# Altium PCB EIT_第2版.PcbDoc
Units mil, origin at the board's own origin, x right, y up, seen from the top; angles counter-clockwise.
Board outline 5275.59 x 3641.73 mil, 2 copper layers (Top Layer, Bottom Layer), stack 12.8 mil thick; 74 components, 45 nets, 210 pads, 133 vias.
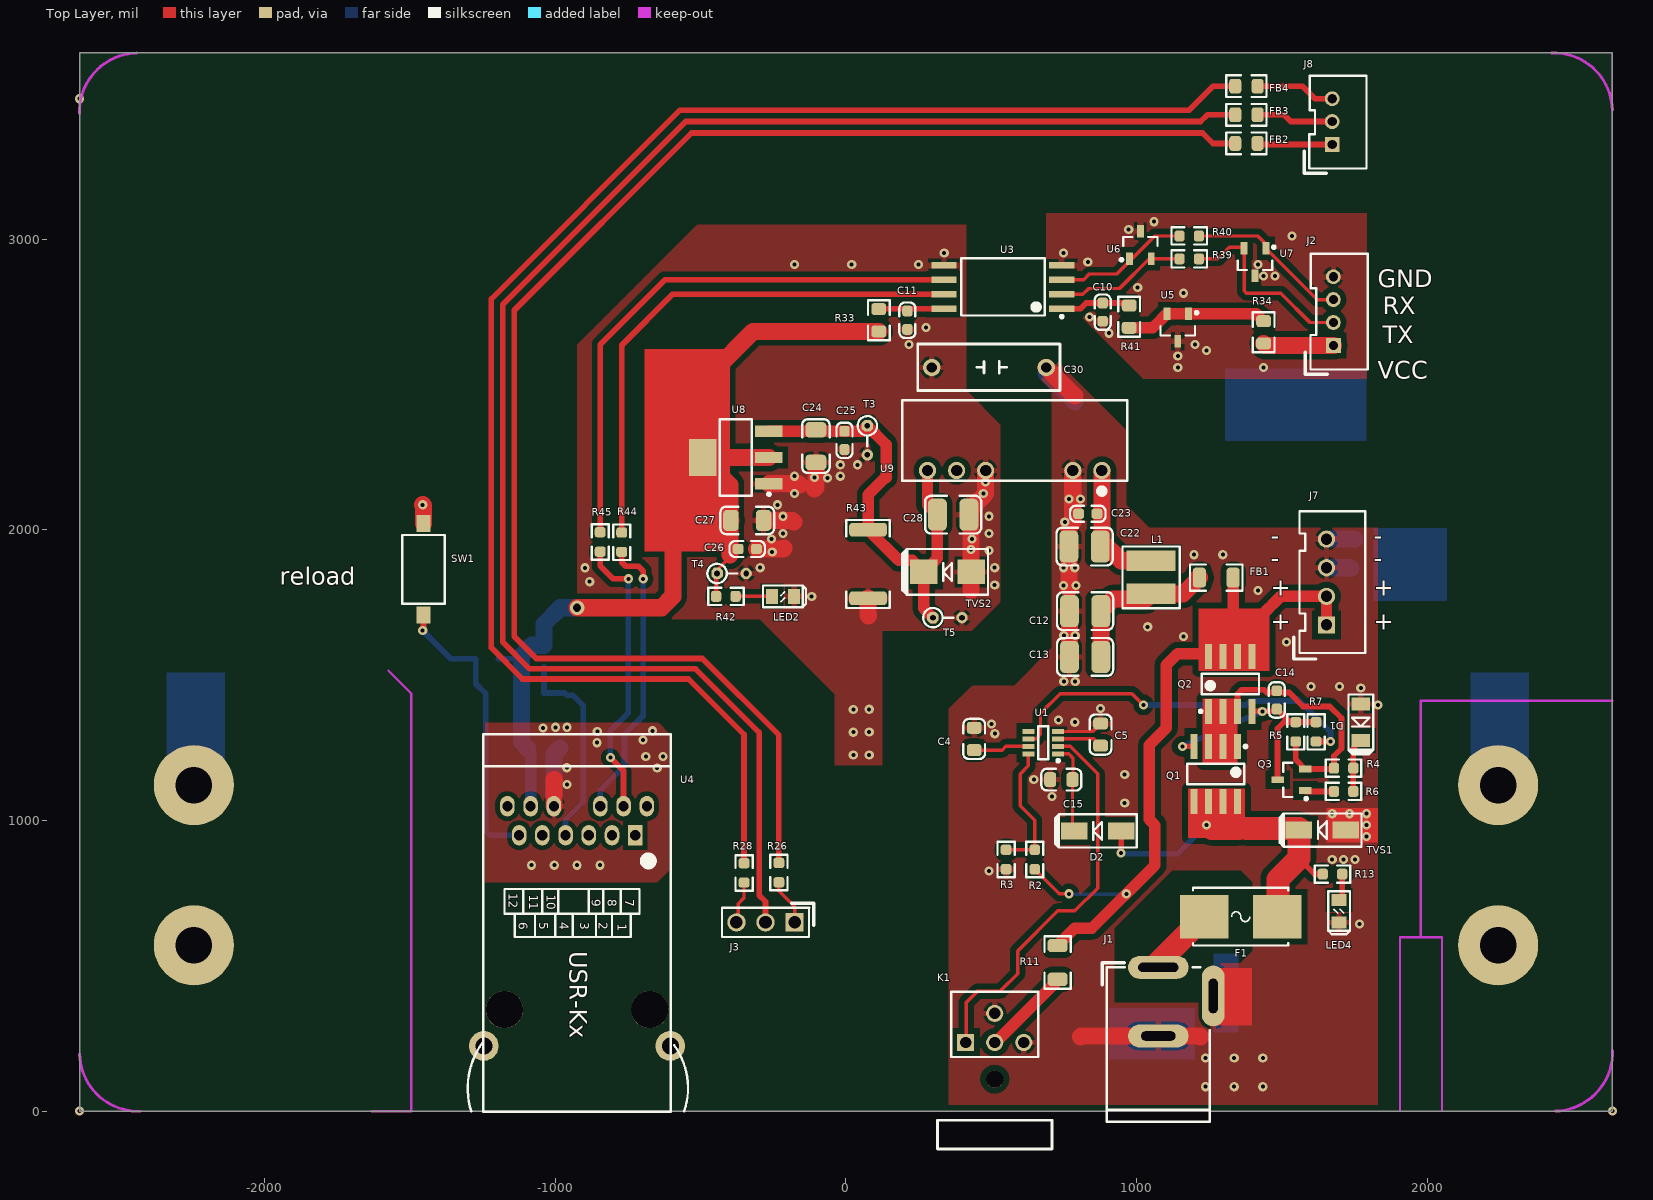
[diagram p0: Top Layer view]
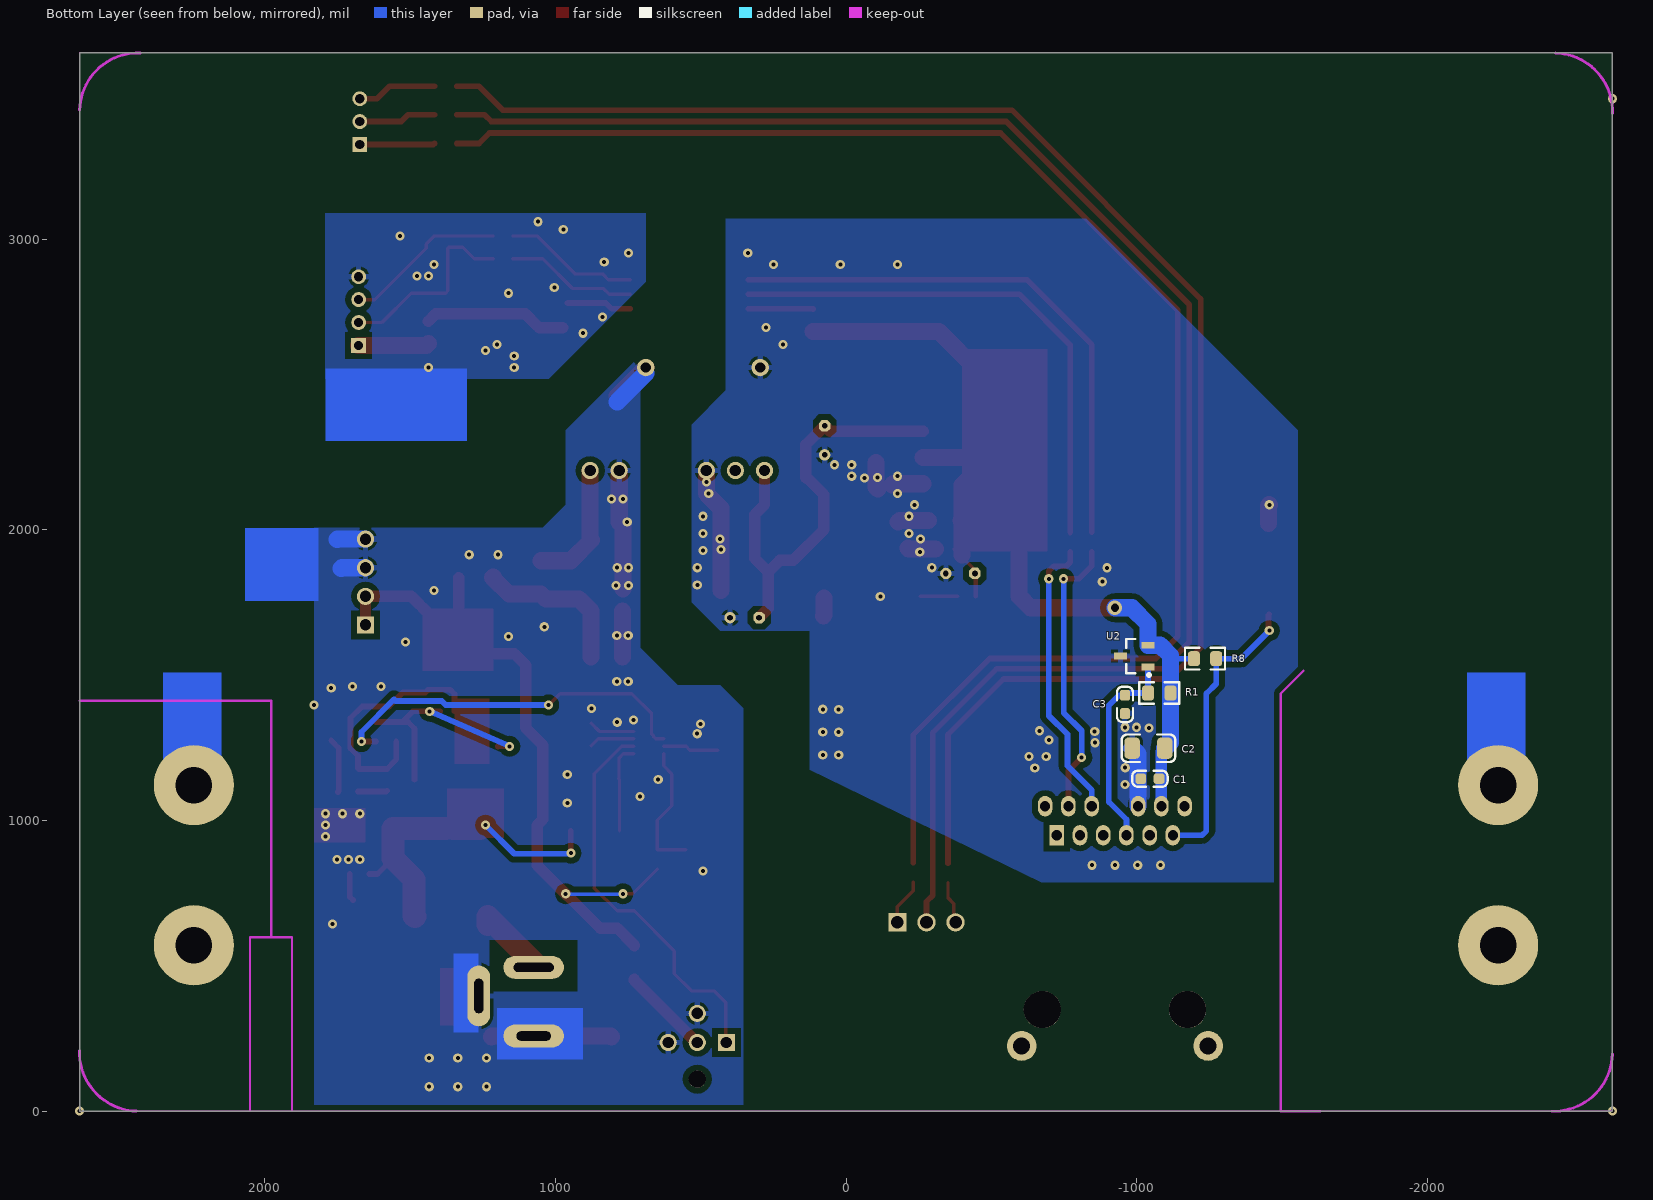
[diagram p1: Bottom Layer view, seen from below]
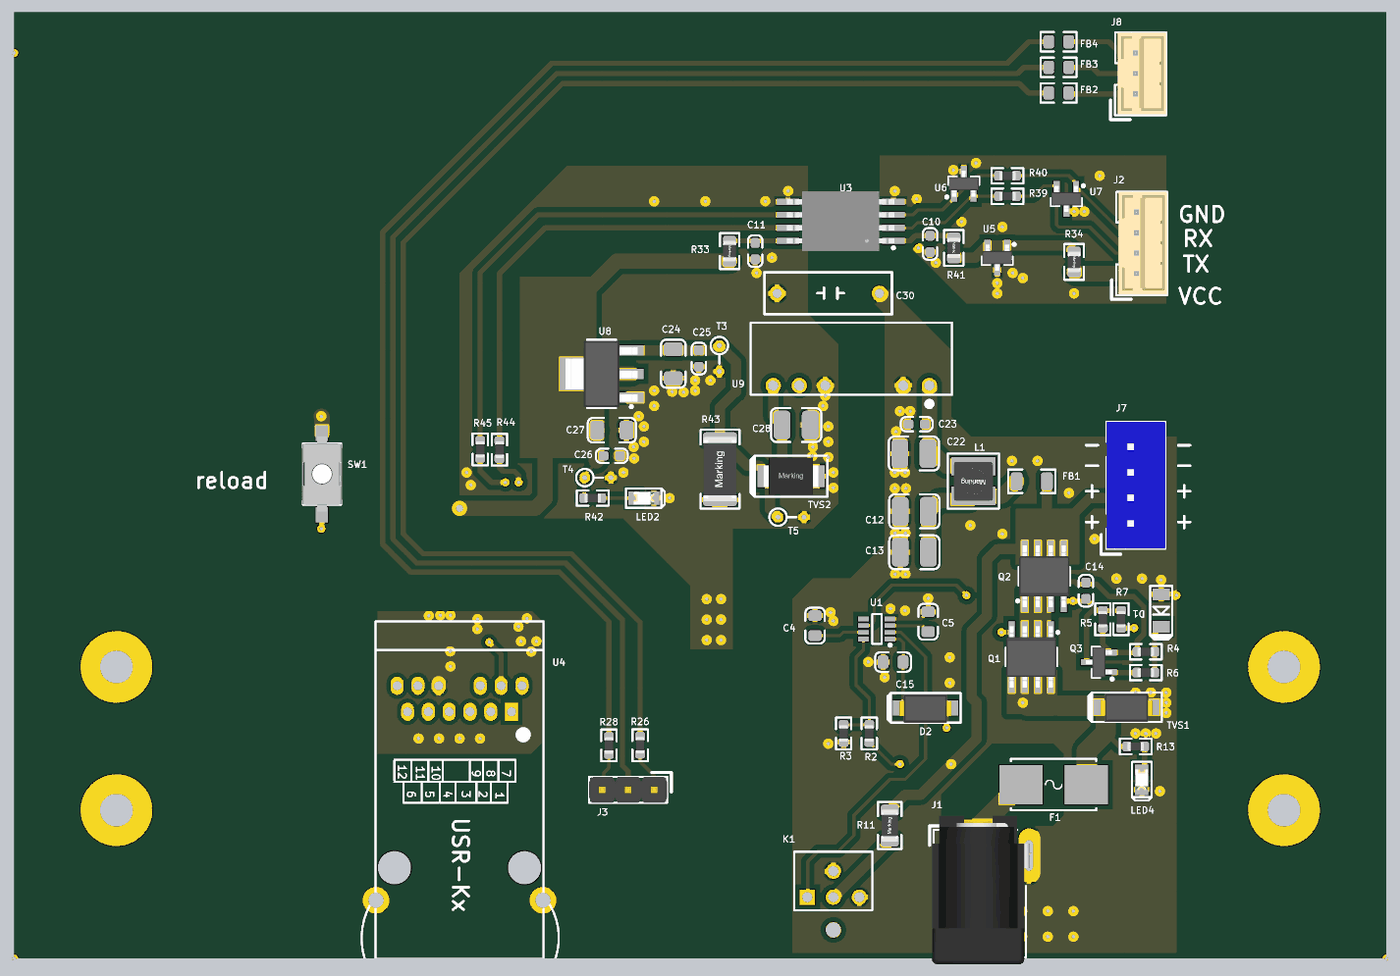
[diagram p2: 3D render of the assembled board from above, using the file's embedded part models]
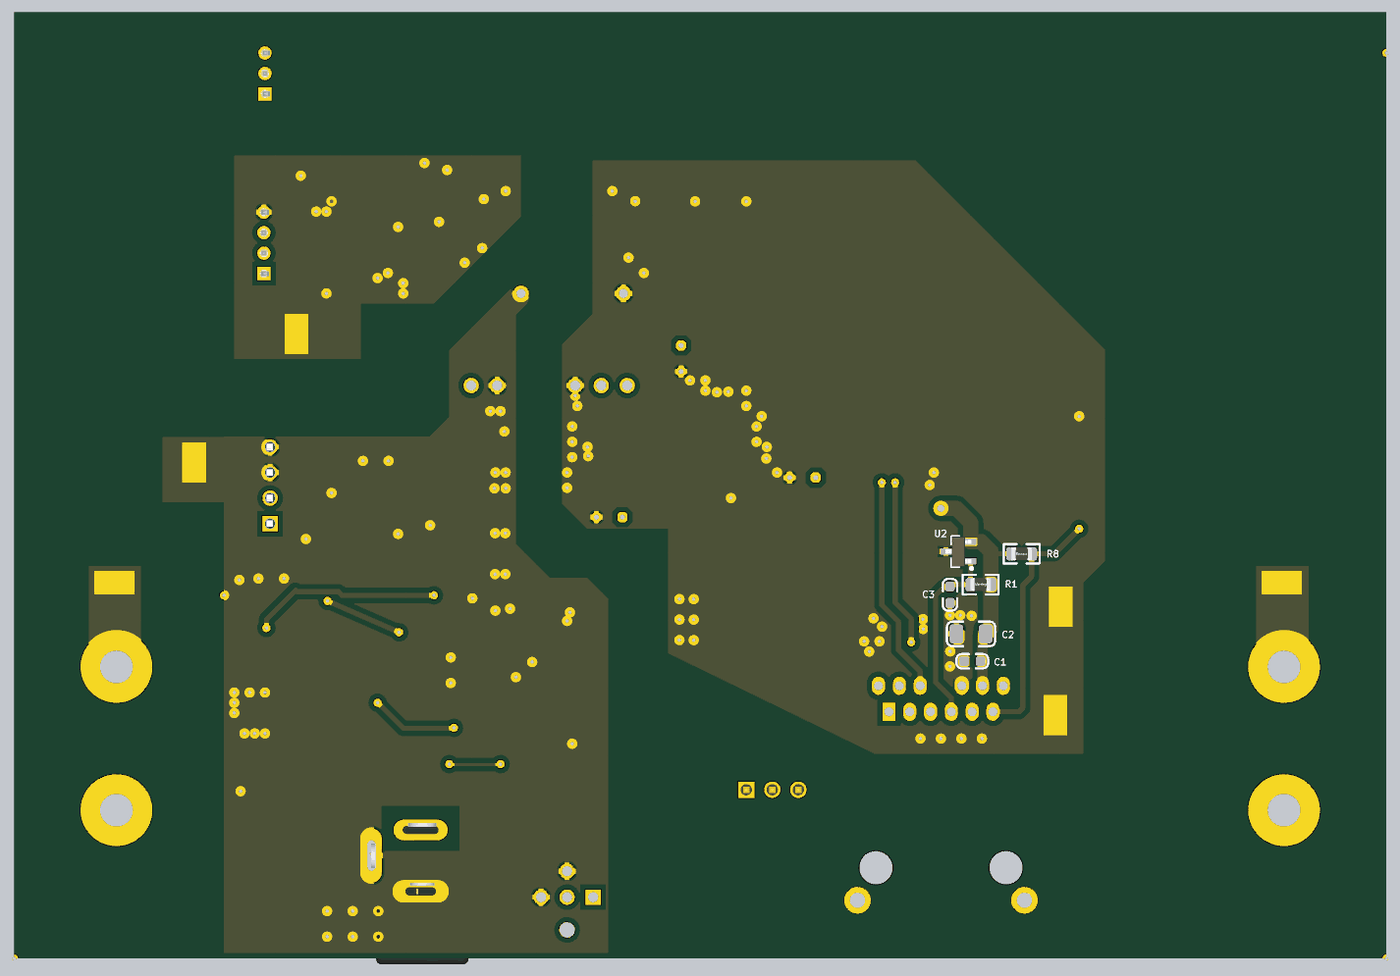
[diagram p3: 3D render of the assembled board from below, using the file's embedded part models]

## Layer stack, top to bottom
Top Solder: solder mask 0.4, Solder Resist, Dk 3.5
Top Layer: signal copper 1.4
Dielectric 1: core 10, FR-4, Dk 4.2
Bottom Layer: signal copper 1.4
Bottom Solder: solder mask 0.4, Solder Resist, Dk 3.5

## Board outline
-2637.8,0 -2637.8,3641.73 2637.8,3641.73 2637.8,0

## Design rules (kind name [scope] priority, off if disabled: settings)
Clearance Clearance_1 [InPolygon] p1: gap=19.68
Clearance [InNet('GND')] p2: gap=13.78
Clearance Clearance_2 [All] p3: gap=10
PolygonConnect [isvia] p1: connectstyle=Direct reliefconductorwidth=10 reliefentries=4 polygonreliefangle="90 Angle" airgapwidth=10
PolygonConnect PolygonConnect_1 [All] p2: connectstyle=Relief reliefconductorwidth=19.68 reliefentries=4 polygonreliefangle="90 Angle" airgapwidth=10
RoomDefinition "EIT 串口转LAN" [InComponentClass('EIT 串口转LAN')] p1: confinementstyle=ConfineIn formatcopy=TRUE lockcomponents=FALSE outline 2674.54,5.38 3068.24,5.38 3068.24,221.91 2674.54,221.91
RoutingVias [All] p1: holewidth=28 width=50 viastyle="Through Hole" minholewidth=28 minwidth=50 maxholewidth=28 maxwidth=50
SolderMaskExpansion [All] p1: expansion=4
Width [All] p1: maxlimit=78.74 minlimit=10 preferedwidth=10
30 further rules are at their usual default settings.

## Components (designator, comment, footprint, x,y, rotation, side; value= is the part's Value field where it differs from the comment)
C1 "100nF/50V" C-0603 -1045.94,1144.09 r180 bottom
C2 "10uF/25V" C-1206 -1040.94,1249.09 r180 bottom
C3 "?F/?V" C-0603 -959.98,1399.73 r270 bottom
C4 "?F/?V" C-0805 441.15,1280.96 r90 top
C5 "?F/?V" C-0805 876.15,1295.96 r270 top
C10 "100nF/50V" C-0603 883.34,2749.66 r270 top
C11 "100nF/50V" C-0603 211.28,2721.92 r90 top
C12 "10uF/25V" C-1210 822.87,1720.72 r0 top
C13 "10uF/25V" C-1210 822.87,1563.24 r0 top
C14 "?F/?V" C-0603 1482.59,1415.38 r270 top
C15 "?F/?V" C-0805 741.15,1140.96 r0 top
C22 "10uF/25V" C-1210 821,1943 r0 top
C23 "100nF/50V" C-0603 832,2056 r180 top
C24 "10uF/25V" C-1206 -103.69,2288.85 r90 top
C25 "100nF/50V" C-0603 -5.26,2308.54 r90 top
C26 "100nF/50V" C-0603 -339.91,1934.52 r180 top
C27 "10uF/25V" C-1206 -339.91,2032.94 r180 top
C28 "10uF/25V" C-1210 368.76,2052.63 r180 top
C30 "1000pF/3KV" HV_CAP 688.98,2559.06 r180 top (schematic designator C16)
D1 "稳压" DO-213AB/LL34/MiniMELF 1771.65,1338.58 r90 top
D2 "稳压" DO-214AC/SMA 866.14,964.57 r0 top
F1 "?A/?V" F-Littlefuse_154 1358.27,669.29 r180 top
FB1 "贴片磁珠600R@100MHz,2500mA,1206" FB-1206 1274.27,1836.09 r180 top
FB2 "?OU/@100M ?A?R@100MHz ?A" FB-0805 1377.95,3330.46 r0 top
FB3 "?OU/@100M ?A?R@100MHz ?A" FB-0805 1377.95,3428.88 r0 top
FB4 "?OU/@100M ?A?R@100MHz ?A" FB-0805 1377.95,3527.31 r0 top
J1 "ADC-002-2" ADC-002-2 1074.8,494.8 r90 top
J2 "JST_PH 2.00-4" "JST_PH 2.00-4" 1677.22,2635.35 r90 top
J3 "SIP_2.54_3P" SIP_2.54_3P -177,649.61 r180 top
J7 "JST_XH 2.5-4" "JST_XH 2.5-4" 1653.54,1673.23 r270 top
J8 "JST_PH 2.00-3" "JST_PH 2.00-3" 1673.23,3326.77 r90 top
K1 "带灯按键 90度" "带灯按键 90度" 511.81,236.22 r0 top
L1 "6.8uH/750mA" "L-WE-TPC Size 3816" 1050,1837 r90 top (schematic designator L2)
LED2 "?颜色" LED-0805 -216.54,1771.65 r180 top
LED4 "?颜色" LED-0805 1697,688 r90 top
Q1 "PMOS-SOIC-8" SOIC-8(4.90*3.9) 1272.59,1160.38 r270 top
Q2 "PMOS-SOIC-8" SOIC-8(4.90*3.9) 1322.59,1470.38 r90 top
Q3 "PNP-SOT23" SOT23-3 1532.59,1140.38 r180 top
R1 "10K±1%" R-0805 -1078.09,1439.1 r180 bottom
R2 "?±1%" R-0603 649.61,866.14 r270 top
R3 "?±1%" R-0603 551.18,866.14 r90 top
R4 "?±1%" R-0603 1712.59,1180.38 r180 top
R5 "?±1%" R-0603 1547.59,1305.38 r270 top
R6 "?±1%" R-0603 1712.59,1100.38 r0 top
R7 "?±1%" R-0603 1617.59,1305.38 r90 top
R8 "10K±1%" R-0805 -1235.57,1557.21 r0 bottom
R11 "?±1%" R-1206 728.35,511.81 r90 top
R13 "?±1%" R-0603 1674,816 r180 top
R26 "1K±1%" R-0603 -231,821 r90 top
R28 "1K±1%" R-0603 -351,820 r90 top
R33 "10Ω±1%" R-0805 112.85,2721.92 r270 top
R34 "?±1%" R-0805 1437.22,2680.35 r270 top
R39 "?±1%" R-0603 1181.1,2933.07 r0 top
R40 "?±1%" R-0603 1181.1,3011.81 r0 top
R41 "10Ω±1%" R-0805 974.56,2734.29 r270 top
R42 "?±1%" R-0603 -413.39,1771.65 r180 top
R43 "120Ω" R-2512 76,1883 r90 top
R44 "100±1%" R-0603 -772,1958 r90 top
R45 "100±1%" R-0603 -846,1959 r90 top
SW1 "按键开关3*6*2.5mm 2pin" "按键开关3*6*2.5MM 2PIN" -1453.96,1864.48 r270 top
T3 "test_point" TP-DIP-2 73.48,2308.54 r270 top
T4 "test_point" TP-DIP-2 -393.7,1850.39 r0 top
T5 "test_point" TP-DIP-2 349.07,1698.3 r0 top
TVS1 "SMAJ13A" DO-214AC/SMA 1639.24,967.15 r0 top
TVS2 "SMBJ5.0A" DO-214AA/SMB 349.07,1855.78 r0 top
U1 "LTC2954ITS8-2#PBF(LTCNK)" SOT23-8 678.87,1268.05 r180 top
U2 "PESD5V2S2UT(*U1)" SOT23-3 -992,1566 r0 bottom
U3 "ADuM226N" "SOIC-8(Wide Body)" 742.77,2761.29 r180 top
U4 "USR-K3 V2" "USR-K3 V2" -725.39,949.56 r270 top
U5 "PESD5V2S2UT(*U1)" SOT23-3 1141.73,2696.85 r270 top
U6 "PESD5V2S2UT(*U1)" SOT23-3 1013,2981 r90 top
U7 "PESD5V2S2UT(*U1)" SOT23-3 1407.54,2922.55 r270 top
U8 "LM1117IMP-3.3/NOPB(N05B)" SOT223 -379.28,2249.48 r180 top
U9 "F1205S-2WR2" F_S-2WR2 880.57,2204.72 r180 top

## Footprints (in the part's own frame and the unit in brackets; to place one, negate y for a bottom-side part, rotate by r counter-clockwise, add the part's x,y. Pads: shape width x height; smd on the part's side, far side on the other; paste and mask are expansions set on the pad)
ADC-002-2 [mm]
  oval 2x5.3 hole 0.8 slot 3.5 at 90 deg: 1(0,0)
  oval 5.3x2 hole 0.8 slot 3 at 0 deg: 2(-2.5,-4.8)
  oval 2x5.3 hole 0.8 slot 3 at 90 deg: 3(-6,0)
  silkscreen extent -13.5,-4.5 0.4,4.9, body extent -13.11,-4.84 1.39,4.66, height 10.65
C-0603 [mm] "Chip Capacitor, 2-Leads, Body 1.60x0.80mm, IPC Medium Density"
  rrect50% 0.95x0.9 smd: 1(-0.8,0) 2(0.8,0)
  silkscreen extent -1.55,-0.7 1.55,0.7, body extent -0.85,-0.45 0.85,0.45, height 0.5
C-0805 [mm] "Chip Capacitor, 2-Leads, Body 2.00x1.25mm, IPC Medium Density"
  rrect50% 1.05x1.3 smd: 1(-0.975,0) 2(0.975,0)
  silkscreen extent -1.75,-0.95 1.75,0.95, body extent -1.05,-0.67 1.05,0.68, height 0.5
C-1206 [mm] "Chip Capacitor, 2-Leads, Body 3.20x1.60mm, IPC Medium Density"
  rrect50% 1.35x1.85 smd: 1(-1.425,0) 2(1.425,0)
  silkscreen extent -2.35,-1.2 2.35,1.2, body extent -1.7,-0.9 1.7,0.9, height 1.25
C-1210 [mm] "Chip Capacitor, 2-Leads, Body 3.20x2.50mm, IPC Medium Density"
  rrect50% 1.65x2.8 smd: 1(-1.375,0) 2(1.375,0)
  silkscreen extent -2.45,-1.65 2.45,1.65, body extent -1.8,-1.4 1.8,1.4, height 2
DO-213AB/LL34/MiniMELF [mm] "MELF Diode, 2-Leads, Body 3.40x1.45mm, IPC Medium Density"
  rect 1.15x1.65 smd: A(1.6,0) K(-1.6,0)
  silkscreen extent -2.83,-1.07 2.43,1.07, body extent -1.76,-0.75 1.76,0.75, height 1.49
DO-214AA/SMB [mm] "Molded Diode, 2-Leads, Body 5.34x3.62mm, IPC Medium Density"
  rect 2.4x2.15 smd: A(2.075,0) K(-2.075,0)
  silkscreen extent -3.95,-2 3.55,2, body extent -2.7,-1.81 2.7,1.81, height 2.4
DO-214AC/SMA [mm] "Molded Diode, 2-Leads, Body 4.33x2.56mm, IPC Medium Density"
  rect 2.3x1.5 smd: A(2.05,0) K(-2.05,0)
  silkscreen extent -3.72,-1.45 3.42,1.45, body extent -2.56,-1.46 2.52,1.34, height 2.08
F-Littlefuse_154 [mm]
  rect 4.24x3.81 smd: 1(-3.185,0) 2(3.185,0)
  silkscreen extent -4.17,-2.52 4.17,2.52
F_S-2WR2 [mm]
  round 1.5 hole 1: 1(0,0) 2(2.54,0) 5(10.16,0) 6(12.7,0) 7(15.24,0)
  silkscreen extent -2.21,-6.15 17.44,2.05
FB-0805 [mm] "Chip Resistor, 2-Leads, Body 2.00x1.25mm, IPC Medium Density"
  rrect50% 1.05x1.3 smd: 1(-0.975,0) 2(0.975,0)
  silkscreen extent -1.75,-0.95 1.75,0.95, body extent -1.05,-0.67 1.05,0.68, height 0.5
FB-1206 [mm] "Chip Resistor, 2-Leads, Body 3.10x1.60mm, IPC Medium Density"
  rrect50% 1.15x1.75 smd: 1(-1.475,0) 2(1.475,0)
  silkscreen extent -2.3,-1.15 2.3,1.15, body extent -1.6,-0.85 1.6,0.85, height 0.55
HV_CAP [mil]
  round 60 hole 35.43: 1(0,0) 2(393.7,0)
  silkscreen extent -48,-81 442,80
"JST_PH 2.00-3" [mm]
  rect 1.3x1.3 hole 0.8: 1(0,0)
  round 1.3 hole 0.8: 2(2,0) 3(4,0)
  silkscreen extent -2.51,-3 6,2.44, body extent -2,-2.95 6,1.75, height 6.13
"JST_PH 2.00-4" [mm]
  rect 1.3x1.3 hole 0.8: 1(0,0)
  round 1.3 hole 0.8: 2(2,0) 3(4,0) 4(6,0)
  silkscreen extent -2.51,-3 8,2.44, body extent -2,-2.95 8,1.75, height 6.13
"JST_XH 2.5-4" [mm]
  rect 1.5x1.5 hole 1: 1(0,0)
  round 1.5 hole 1: 2(-2.5,0) 3(-5,0) 4(-7.5,0)
  silkscreen extent -9.95,-2.86 2.98,3.4, body extent -9.95,-2.35 2.45,3.4, height 7
"L-WE-TPC Size 3816" [mm]
  rect 1.8x4.3 smd: 1(-1.45,0) 2(1.45,0)
  silkscreen extent -2.7,-2.5 2.7,2.5, body extent -1.92,-1.9 1.88,1.9, height 1.6
LED-0805 [mm] "Molded Diode, 2-Leads, Body 1.20x0.80mm, IPC Medium Density"
  rect 1.05x1.3 smd: A(0.975,0) K(-0.975,0)
  silkscreen extent -2.01,-0.95 1.75,0.95, body extent -1,-0.63 1,0.62, height 0.7
R-0603 [mm] "Chip Resistor, 2-Leads, Body 1.60x0.80mm, IPC Medium Density"
  rrect50% 0.9x0.95 smd: 1(-0.85,0) 2(0.85,0)
  silkscreen extent -1.55,-0.75 1.55,0.75, body extent -0.8,-0.4 0.8,0.4, height 0.45
R-0805 [mm] "Chip Resistor, 2-Leads, Body 2.00x1.25mm, IPC Medium Density"
  rrect50% 1.05x1.3 smd: 1(-0.975,0) 2(0.975,0)
  silkscreen extent -1.75,-0.95 1.75,0.95, body extent -1,-0.63 1,0.62, height 0.6
R-1206 [mm] "Chip Resistor, 2-Leads, Body 3.10x1.60mm, IPC Medium Density"
  rrect50% 1.15x1.75 smd: 1(-1.475,0) 2(1.475,0)
  silkscreen extent -2.3,-1.15 2.3,1.15, body extent -1.55,-0.8 1.55,0.8, height 0.6
R-2512 [mm] "Chip Resistor, 2-Leads, Body 6.35x3.10mm, IPC Medium Density"
  rrect50% 1.2x3.3 smd: 1(-3,0) 2(3,0)
  silkscreen extent -3.85,-1.9 3.85,1.9, body extent -3.15,-1.6 3.15,1.6, height 0.6
SIP_2.54_3P [mm]
  rect 1.6x1.6 hole 1.1: 1(0,0)
  round 1.6 hole 1.1: 2(2.54,0) 3(5.08,0)
  silkscreen extent -1.67,-1.67 6.35,1.27, body extent -1.27,-1.27 6.35,1.27, height 8.57
SOIC-8(4.90*3.9) [mm] "SOIC, 8-Leads, Body 4.90x3.90mm, Pitch 1.27mm, IPC Medium Density"
  rect 2.2x0.6 smd: 1(-2.4,1.905) 2(-2.4,0.635) 3(-2.4,-0.635) 4(-2.4,-1.905) 5(2.4,-1.905) 6(2.4,-0.635) 7(2.4,0.635) 8(2.4,1.905)
  silkscreen extent -2.52,-2.5 0.9,2.72, body extent -3.01,-2.45 3.01,2.45, height 1.63
"SOIC-8(Wide Body)" [mm] "SOIC, 8-Leads, Body 4.90x3.90mm, Pitch 1.27mm, IPC Medium Density"
  rect 2.2x0.6 smd: 1(0,0) 2(0,-1.27) 3(0,-2.54) 4(0,-3.81) 5(10.31,-3.81) 6(10.31,-2.54) 7(10.31,-1.27) 8(10.31,0)
  silkscreen extent -0.13,-4.41 8.79,0.81, body extent -0.1,-4.83 10.41,1.02, height 2.65
SOT23-3 [mm] "SOT23, 3-Leads, Body 2.92x2.78mm, Pitch 0.95mm, IPC Medium Density"
  rect 1.1x0.6 smd: 1(-1.2,0.95) 2(-1.2,-0.95) 3(1.2,0)
  silkscreen extent -1.42,-1.5 0.7,1.78, body extent -1.27,-1.46 1.27,1.46, height 0.95
SOT23-8 [mm]
  rect 1.05x0.45 smd: 1(-1.3,0.975) 2(-1.3,0.325) 3(-1.3,-0.325) 4(-1.3,-0.975) 5(1.3,-0.975) 6(1.3,-0.325) 7(1.3,0.325) 8(1.3,0.975)
  silkscreen extent -1.42,-1.45 0.45,1.7, body extent -0.81,-1.45 0.81,1.45, height 1.25
SOT223 [mm] "SOT223, 4-Leads, Body 6.50x7.00mm (avg), Pitch 2.30mm, IPC Medium Density"
  rect 2.4x1 smd: 1(-2.9,2.3) 2(-2.9,0) 3(-2.9,-2.3)
  rect 2.4x3.2 smd: 4(2.9,0)
  silkscreen extent -3.03,-3.35 1.4,3.35, body extent -3.5,-3.25 3.5,3.25, height 1.68
TP-DIP-2 [mm]
  oct 1x1 hole 0.5: 1(-1.27,0)
  round 1 hole 0.5: 2(1.27,0)
  silkscreen extent -2.12,-0.85 0.51,0.85
"USR-K3 V2" [mil]
  rect 70x50 hole 35 mask+2: 1(0,0)
  oval 70x50 hole 35 mask+2: 2(0,-79.92) 3(0,-159.84) 4(0,-239.76) 5(0,-319.68) 6(0,-399.61) 7(-100,40.16) 8(-100,-40.16) 9(-100,-120.08) 10(-100,-279.92) 11(-100,-359.84) 12(-100,-439.76)
  round 102.36 hole 59.06 mask+2: 13(725.18,120.85) 14(725.18,-520.88)
  round 127.95 hole 127.95 unplated: 15(599.98,49.98) 15(599.98,-450.02)
  silkscreen extent -348,-576 952,182, body extent -348,-523 1030,123, height 533
"带灯按键 90度" [mm]
  rect 1.5x1.5 hole 1: 1(-2.54,0)
  round 1.5 hole 1: 2(2.54,0) 3(0,2.54) 4(0,0)
  round 1.5 hole 1.5: ""(0,-3.2)
  silkscreen extent -5,-9.3 5,4.44, body extent -4.1,-9.3 4.1,4.44, height 8.2
"按键开关3*6*2.5MM 2PIN" [mm]
  rect 1.5x1.2 smd: 1(-4,0) 2(4,0)
  silkscreen extent -3,-1.85 3,1.85, body extent -3.65,-1.95 3.65,1.95, height 2.5

## Part data
C1 C3 C10 C11 C14 C23 C25 C26: library part C-0603
C2 C24 C27: library part C-1206
C4 C5 C15: library part C-0805
C12 C13 C22 C28: library part C-1210
C30: library part CAP, "品牌：VISHAY(威世)，型号：S102K43X7RR6###R , 径向引线, X7R，ROHS"
D1: library part Diode-稳压-213AB/LL34/MiniMELF
D2: library part "Diode- 稳压-214AC (SMA)"
F1: library part F-Littlefuse_154
FB1: library part FB-1206, "品牌:Wurth品牌:Wurth，型号: 742792118, Rdc=0.07ohm，size 1206,2500mA，符合ROHS。"
FB2 FB3 FB4: library part FB-0805
J2: "品牌：JST 型号：B4B-PH-K-S，直插，间距2.00，4pin"
J7: "品牌：JST 型号：B4B-XH-A，直插，间距2.5，4pin"
J8: "品牌：JST 型号：B3B-PH-K-S，直插，间距2.00，3pin"
K1: library part POWER_BUTTON
L1: library part "L-WE-TPC Size 3816"
LED2 LED4: library part LED-0805
Q1 Q2 Q3: "品牌：型号："
R1 R8 R33 R34 R41: library part R-0805
R2 R3 R4 R5 R6 R7 R13 R26 R28 R39 R40 R42 R44 R45: library part R-0603
R11: library part R-1206
R43: library part 3Ω_1, "国巨RC2512FK-073R"
T3 T4 T5: library part TP-DIP-2
TVS1: library part TVS-Diode-214AC/SMA
TVS2: library part TVS-Diode-214AA/SMB
U1: library part LTC2954ITS8-2#PBF, "Linear,LTC2954ITS8-2#PBF,TSOT-23,–40~+85°C,"
U2 U5 U6 U7: library part PESD5V2S2UT, "品牌：NXP，型号：PESD5V2S2UT，SOT23-3，ROHS"
U3: "品牌：ADI，型号：ADuM226N0BRIZ,SOIC-8,-40~+105°C,ROHS"
U8: library part LM1117IMP-3.3/NOPB, "品牌：TI，型号：LM1117IMP-3.3/NOPB，800-mA Low-Dropout，SOT223，-40~+ 125°C，ROHS"
U9: library part F_S-2WR2, "品牌：金升阳，型号：，3000VDC隔离，输出2W"

## Free pads (board coordinates)
  round 275.59 hole 125.98: 3(-2244.09,570.87) 3(-2244.09,1122.05) 3(2244.09,570.87) 3(2244.09,1122.05)

## Via types
v1: diameter 31.5, hole 13.78, Top Layer to Bottom Layer, 132 vias
v2: diameter 50, hole 28, Top Layer to Bottom Layer, 1 vias

## Nets (pads, with @x,y where several pads share a name; then routed paths per layer and width w, separated by ;. In a path a pad name is that pad's centre, name@x,y a point inside that pad or via, vN(x,y) a via of type N, cw(c..) or ccw(c..) an arc to the next point about the centre after c; other vN are vias at no path point)
3.3V: R34.1 R41.2 U5.1 U5.2 | length 482.8
  Top Layer w39.37: R41.2 1055.67,2695.9 ; 1062.99,2703.22 1103.87,2744.09 U5.2 U5.1 1411.86,2744.09 R34.1
EIT_ISO_GND: C10.2 J2.4 U3.4 U5.3 U6.3 U7.3
  other v1: 1141.73,2559.06 1437.01,2559.06 1141.73,2598.43 1240.16,2618.11 1200.79,2637.8 905.51,2677.17 838.43,2733.55 1161.42,2814.96 1003.94,2834.65 1437.01,2874.02 1476.38,2874.02 1417.32,2913.39 832,2922 748.03,2952.76 1535.43,3011.81 973,3034 1060,3061
GND: C4.2 C5.1 C12.1 C13.1 C15.1 C22.1 C23.2 C30.1 D1.A J1.2 J1.3 J7.3 J7.4 K1.2 K1.3 LED4.K R3.1 TVS1.A U1.4 U9.2 | length 1605.4
  Top Layer w11.81: U1.4 848.24,1306.43 C5.1
  Top Layer w59.06: C30.1 787.4,2460.63 ; 767.38,1796.72 767.38,2013.26 780.57,2026.45 U9.2 ; C13.1 C12.1 ; 807.09,255.91 809.76,258.57 J1.3 1217.8,258.57 1220.47,255.91
  Bottom Layer w59.06: C30.1@688.98,2539.37 787.4,2440.94 ; J7.3 1733.92,1870.08 1737,1867 ; J7.4 1749.5,1968.5 1751,1967
  other v1: 1237.57,84.13 1336,84.13 1434.43,84.13 1237.57,182.55 1336,182.55 1434.43,182.55 1767,644 492.13,826.77 1673.23,866.14 1712.6,866.14 1751.97,866.14 1791.34,944.88 1791.34,984.25 1673.23,1023.62 1732.28,1023.62 1791.34,1023.62 959.18,1060.41 708.66,1082.68 646.15,1140.96 959.18,1158.83 512,1299 501,1332 787.4,1338.58 731.15,1345.96 876.15,1385.96 1830.71,1397.64 1771.65,1456.69 1599.87,1461.95 1698.3,1461.95 749.39,1479.12 788.76,1479.12 1515.75,1614.17 1161.42,1633.86 749.39,1636.6 788.76,1636.6 1038.4,1667 1417.32,1791.34 748,1809 791,1809 748.03,1870.08 787.4,1870.08 1198.2,1914.83 1296.63,1914.83 753,2028 767.72,2106.3 807.09,2106.3
ISO_3.3V: C1.2 C2.2 C26.2 C27.2 R1.2 R8.2 R33.2 R42.2 T4.1 U2.2 U4.11 U8.2 U8.4 | length 3113.9
  Top Layer w11.81: T4.1@-449.61,1856.31 C26.2
  Top Layer w15.75: R42.2 -446.85,1847.24 T4.1
  Top Layer w59.06: v2(-925.2,1732.28) -635.18,1732.28 -595.81,1771.65 -595.81,1984.52 -444.43,1984.52 C27.2@-398.96,2029.99 ; -458.02,2544.76 -319.24,2683.54 R33.2 ; -398.96,1914.83 C27.2@-398.96,2029.99 ; C27.2 C27.2@-398.96,2029.99 ; U8.2 U8.4 -398.96,2154.99 C27.2@-398.96,2029.99
  Bottom Layer w19.68: R8.2 -1116.47,1557.21
  Bottom Layer w39.37: C2.2 -1085.24,1237.28 U4.11
  Bottom Layer w59.06: C2.2 -1116.47,1268.51 R1.2 -1116.47,1557.21 -1116.47,1567.93 -1081,1603.4 U2.2 -1039.24,1676.76 -983.72,1732.28 v2(-925.2,1732.28)
ISO_5V: C24.2 C25.2 C28.2 R43.2 T3.1 T5.1 TVS2.K U8.3 U9.7 | length 1563.7
  Top Layer w39.37: U8.3 C25.2 54.98,2340.03 T3.1 137.8,2294.22 137.8,2183 ; 137.8,2180 137.8,2183 ; U9.7 280.57,2086.68 C28.2 314.62,1903.02 TVS2.K ; T5.1 267.38,1729.99 TVS2.K ; 137.8,2183 76,2121.2 R43.2 181.53,1895.58 227.58,1895.58 TVS2.K
ISO_GND: C1.1 C2.1 C3.2 C11.1 C24.1 C25.1 C26.1 C27.1 C28.1 C30.2 LED2.K R43.1 SW1.1 T3.2 T4.2 T5.2 TVS2.A U2.3 U3.5 U4.10 U8.1 U9.5 | length 1479.8
  Top Layer w59.06: v1(-1456.69,2086.61) -1453.96,2083.88 SW1.1 ; U4.10 -1005.31,1140.35 -1003.94,1141.73 ; C26.1 -215.48,1934.52 -213,1937 ; C27.1 -184.94,2032.94 -180,2028 ; U8.1 -162.93,2158.93 -159,2155 ; -109,2142 -103.69,2147.31 C24.1 ; R43.1 76,1707 78,1705 ; 430.76,1791.34 430.76,2075.27 480.57,2125.07 U9.5
  Bottom Layer w10: U4.10 -1014.45,1058.69 C1.1 -1005.31,1153.22 -984.84,1173.69 C2.1
  Bottom Layer w59.06: U4.10 -1005.31,1153.22 -1005.31,1228.62 C2.1
  other v1: -1082.68,846.46 -1003.94,846.46 -925.2,846.46 -846.46,846.46 -959.98,1124.14 -649.61,1181.1 -961,1182 -688.98,1220.47 -629.92,1220.47 25,1225.26 80,1225.52 -857,1268 -699,1277 25,1304 80,1304.26 -856,1306 -666,1309 -1043.31,1318.9 -999.35,1320.99 -959.98,1320.99 25,1382.74 80,1383 -118.11,1771.65 511.81,1811.02 -882,1822 -898,1870 -295.28,1870.08 511.81,1870.08 -254,1924 492.13,1929.13 430.76,1933 -255.91,1968.5 433.07,1968.5 -216.54,1988.19 492.13,1988.19 -216.54,2047.24 492.13,2047.24 -236.22,2086.61 -177.17,2125.98 472.44,2125.98 480.57,2165.35 -64,2179 -108,2181 -177.17,2185.04 -19.68,2185.04 -19.68,2224.41 39.37,2224.41 216.54,2637.8 275.59,2696.85 -177.17,2913.39 19.69,2913.39 250,2914 338,2953
KEY: K1.1 U1.2 | length 1368.9
  Top Layer w11.81: K1.1@413.39,235.2 413.39,374.02 452.76,413.39 531.5,413.39 590.55,472.44 590.55,551.18 728.35,688.98 787.4,688.98 866.14,767.72 866.14,1160.51 771.4,1255.25 U1.2
NetC4_1: C4.1 U1.7 | length 191.8
  Top Layer w11.81: C4.1 537.57,1242.57 550.25,1255.25 U1.7
NetC5_2: C5.2 U1.3 | length 155.7
  Top Layer w11.81: U1.3 852.88,1280.84 C5.2
NetC10_1: C10.1 R41.1 U3.1 | length 225.1
  Top Layer w11.81: R41.1@958.32,2780.98 R41.1@959.31,2779.99
  Top Layer w19.68: U3.1 807.09,2761.29 826.77,2780.98 R41.1@958.32,2780.98
NetC11_2: C11.2 R33.1 U3.8 | length 224.4
  Top Layer w19.68: R33.1 113.83,2761.29 U3.8
NetC12_2: C12.2 C13.2 FB1.2 L1.1 | length 547.2
  Top Layer w59.06: C13.2 C12.2 918.34,1762.06 1032.15,1762.06 L1.1 1160.02,1779.91 FB1.2 FB1.2@1214.23,1838.06
NetC14_1: C14.1 Q1.1 Q1.2 Q1.3 Q2.1 Q2.2 Q2.3 Q3.2 R4.2 R5.2 | length 854.4
  Top Layer w19.68: Q2.3 1347.59,1435.38 1362.21,1450 1437.97,1450 1447.59,1440.38 1525.09,1440.38 1572.59,1392.88 1665.09,1392.88 1705.09,1352.88 1705.09,1247.88 1679.13,1221.91 R4.2 1676.53,1177.78 Q3.2 1547.59,1210.02 R5.2
NetC14_2: C14.2 Q1.4 Q2.4 Q3.3 R5.1 R7.2 | length 803.8
  Top Layer w19.68: v1(1157.59,1255.38) 1197.59,1255.38 Q1.4 ; Q2.4 v1(1432.59,1375.89) 1490.54,1375.89 1527.59,1338.84 ; Q3.3 1485.35,1316.6 1507.59,1338.84 1527.59,1338.84 ; R7.2 R5.1 1527.59,1338.84
  Bottom Layer w19.68: v1(1157.59,1255.38) v1(1432.59,1375.89)
NetC15_2: C15.2 D2.K U1.1 | length 304.8
  Top Layer w11.81: U1.1 766.15,1229.66 781.15,1214.66 781.15,1145.96 C15.2@782.84,1144.27 ; D2.K@779.54,964.57 C15.2
NetC22_2: C22.2 C23.1 L1.2 U9.1 | length 445.1
  Top Layer w59.06: U9.1 880.57,1970.56 875.65,1965.64 947.2,1894.09 L1.2
NetD1_K: D1.K R4.1 R6.2 | length 190
  Top Layer w19.68: R6.2@1749.05,1097.39 R6.2 1746.06,1249.99 D1.K
NetD2_A: D2.A F1.1 Q1.5 Q1.6 Q1.7 Q1.8 R13.2 TVS1.K | length 1336.2
  Top Layer w11.81: 1350.13,972.71 1355.68,967.15 TVS1.K
  Top Layer w19.68: v1@944.88,885.83 v1(946.85,887.8) D2.A ; 1558.54,869.56 1612.09,816 R13.2
  Top Layer w78.74: 1259.43,972.71 1350.13,972.71 ; 1377.95,972.71 1558.54,972.71 TVS1.K 1558.54,869.56 1486.06,797.09 1486.06,671.69 F1.1
  Bottom Layer w19.68: v1@944.88,885.83 1141.73,885.83 v1(1240.16,984.25)
NetF1_2: F1.2 J1.1 | length 266.9
  Top Layer w78.74: J1.1 1074.8,511.22 F1.2 F1.2@1232.87,642.32
NetFB2_1: FB2.1 R26.2 | length 5361.9
  Top Layer w19.68: R26.2 -231,1293.99 -495.01,1558 -1065.87,1558 -1141.73,1633.86 -1141.73,2755.91 -531.5,3366.14 1227,3366.14 1262.69,3330.46 FB2.1
NetFB2_2: FB2.2 J8.1 | length 258.4
  Top Layer w19.68: FB2.2 1420.02,3326.77 J8.1
NetFB3_1: FB3.1 J3.2 | length 5626.2
  Top Layer w19.68: J3.2 -277,721 -299,743 -299,1302.94 -518.06,1522 -1088.93,1522 -1181.1,1614.17 -1181.1,2775.59 -551.18,3405.51 1220.47,3405.51 1243.84,3428.88 FB3.1
NetFB3_2: FB3.2 J8.2 | length 266.6
  Top Layer w19.68: FB3.2 1507.12,3428.88 1530.49,3405.51 J8.2
NetFB4_1: FB4.1 R28.2 | length 5499.6
  Top Layer w19.68: R28.2 -351,1295.88 -542.12,1487 -1112.98,1487 -1220.47,1594.49 -1220.47,2795.28 -570.87,3444.88 1181.1,3444.88 1263.53,3527.31 FB4.1
NetFB4_2: FB4.2 J8.3 | length 274.7
  Top Layer w19.68: FB4.2 1571.12,3527.31 1614.17,3484.25 J8.3
NetJ2_1: J2.1 R34.2 | length 242.7
  Top Layer w59.06: R34.2 1443.83,2635.35 J2.1
NetJ3_1: J3.1 R26.1 | length 160.3
  Top Layer w11.81: R26.1 -231,758 -177,704 J3.1
NetJ3_3: J3.3 R28.1 | length 147.7
  Top Layer w11.81: J3.3 -371,655.61 -371,714 -351,734 R28.1
NetK1_4: K1.4 R11.1 | length 307.6
  Top Layer w39.37: K1.4@513.39,235.2 728.35,450.16 R11.1
NetLED2_A: LED2.A R42.1 | length 130.3
  Top Layer w11.81: R42.1@-385.18,1771.65 R42.1 LED2.A
NetLED4_A: LED4.A R13.1 | length 93.9
  Top Layer w19.68: LED4.A 1707.46,736.85 R13.1
NetQ3_1: Q3.1 R6.1 | length 100.4
  Top Layer w19.68: Q3.1 1582.43,1100.38 R6.1
NetR2_1: R2.1 R3.2 U1.8 | length 461.2
  Top Layer w11.81: R3.2 R2.1 649.61,1000.69 599.15,1051.15 599.15,1160.15 627.69,1188.69 U1.8
NetR7_1: R7.1 U1.6 | length 1301.5
  Top Layer w11.81: U1.6 628.51,1281.67 654.94,1281.67 664.26,1290.99 664.26,1294.18 669.29,1299.21 669.29,1369.25 737.05,1437.01 984.25,1437.01 v1(1023.62,1397.64)
  Top Layer w19.68: R7.1 v1(1667.59,1271.91)
  Bottom Layer w19.68: v1(1023.62,1397.64) 1377.22,1397.64 1391.06,1411.48 1549.28,1411.48 1555.12,1417.32 1667.59,1304.85 v1(1667.59,1271.91)
NetR8_1: R8.1 SW1.2 U4.6 | length 1009.1
  Top Layer w19.68: v1(-1456.69,1653.54) -1453.96,1656.28 SW1.2 SW1.2@-1456.69,1709.73
  Bottom Layer w19.68: v1(-1456.69,1653.54) -1360.36,1557.21 R8.1 -1273.95,1470.81 -1240.14,1437 -1240.14,964.55 -1225.15,949.56 U4.6
NetR44_2: R44.2 U3.7 | length 1826
  Top Layer w19.68: R44.2 -772,2636 -596.71,2811.29 U3.7
NetR45_2: R45.2 U3.6 | length 1921
  Top Layer w19.68: R45.2 -846,2638.25 -622.96,2861.29 U3.6
RS232_USR-K7-RX: J2.3 R40.2 U7.1 | length 561.8
  Top Layer w11.81: R40.2 1417.32,3011.81 1444.94,2984.2 U7.1 1621.9,2792.83 J2.3
RS232_USR-K7-TX: J2.2 R39.2 U7.2 | length 668.1
  Top Layer w11.81: R39.2 1279.53,2933.07 1318.9,2972.44 1367.49,2972.44 U7.2 1370.13,2822.78 1377.95,2814.96 1442.61,2814.96 1496.06,2814.96 1596.94,2714.09 J2.2@1673.23,2714.09
USR-K7-RX: R45.1 U4.8 | length 991.6
  Top Layer w19.68: R45.1 -846,1876.13 -801.87,1832 v1(-749,1832) ; v1(-811,1217) -765.55,1171.55 U4.8
  Bottom Layer w19.68: v1(-811,1217) -811,1309 -749,1371 v1(-749,1832)
USR-K7-TX: R44.1 U4.9 | length 992.5
  Top Layer w19.68: R44.1 -772,1889 -758,1875 -714,1875 -698,1859 v1(-698,1832)
  Bottom Layer w19.68: U4.9 -845.47,1105 -761.94,1188.53 -761.94,1297.06 -698,1361 v1(-698,1832)
USR-KX_REST: C3.1 R1.1 U2.1 U4.4 | length 714.5
  Bottom Layer w19.68: U2.1 -1039.24,1439.55 R1.1 -967.85,1439.1 C3.1 -939.1,1431.22 -904.7,1396.83 -904.7,1063.8 -965.16,1003.35 U4.4
USR-RX: R40.1 U3.3 U6.1 | length 467.2
  Top Layer w11.81: U3.3 817.78,2861.29 837.46,2880.98 932.16,2880.98 1062.99,3011.81 R40.1
USR-TX: R39.1 U3.2 U6.2 | length 455.3
  Top Layer w11.81: U3.2 815.29,2811.29 834.98,2830.98 941.21,2830.98 1043.31,2933.07 R39.1
V_IN: FB1.1 J7.1 J7.2 Q2.5 Q2.6 Q2.7 Q2.8 R2.2 R11.2 | length 2280.1
  Top Layer w11.81: R2.2 734.25,748.03 v1(767.72,748.03)
  Top Layer w39.37: R11.2 728.35,570.87 787.4,629.92 846.46,629.92 1062.99,846.46 1062.99,984.25 1043.31,1003.94 1043.31,1259.84 1102.36,1318.9 1102.36,1535.43 1141.73,1574.8 1259.84,1574.8 ; 1332.34,1673.23 FB1.1 ; 1397.64,1673.23 1456.69,1732.28 ; 1437.01,1712.6 1496.06,1771.65 J7.2 J7.1
  Bottom Layer w11.81: v1(767.72,748.03) 769.25,746.5 v1@963.03,746.5
  other v1: 964.57,748.03
pads on no net: K1. U1.5 U4.1 U4.2 U4.3 U4.5 U4.7 U4.12 U4.13 U4.14 U4.15 U9.6
copper on no net:
  other v1: -2637.8,0 2637.8,0 -2637.8,3484.25

## Polygon pours and split planes (outlines as drawn)
EIT_ISO_GND on Top Layer "Top Layer-No Net" (solid, remove dead copper, pour order 22): 688.98,3090.55 688.98,2854.33 1023.62,2519.69 1279.53,2519.69 1791.34,2519.69 1791.34,3090.55
no net on Top Layer "TopLayer-PGND" (hatched 90Degree grid 10 track 10, remove dead copper, pour order 4): -20376.6,-2908
ISO_GND on Top Layer "Top Layer-No Net" (solid, remove dead copper, pour order 10): 413.39,3051.18 -511.81,3051.18 -925.2,2637.8 -925.2,1771.65 -846.46,1692.91 -296.91,1692.91 -39.37,1435.37 -39.37,1190 125,1190 125,1653.54 433.07,1653.54 531.5,1751.97 531.5,2362.2 413.39,2480.31
GND on Top Layer "Top Layer-No Net" (solid, remove dead copper, pour order 16): 629.92,2598.43 708.66,2598.42 964.57,2342.52 964.57,2086.61 1043.31,2007.87 1830.71,2007.87 1830.71,-19.68 354.33,-19.68 354.33,1384.33 434,1464 578.17,1464 708.66,1594.49 708.66,2440.94 708.66,2480.31 629.92,2559.06
ISO_GND on Top Layer "Top Layer-No Net" (solid, pour order 24): -1241,1336 -645,1336 -610.24,1301.24 -610.24,826.77 -649.61,787.4 -1241,787.4
GND on Bottom Layer "Top Layer-No Net" (solid, remove dead copper, pour order 14): 629.92,2598.43 708.66,2598.42 964.57,2342.52 964.57,2086.61 1043.31,2007.87 1830.71,2007.87 1830.71,-19.68 354.33,-19.68 354.33,1386.33 433,1465 579.17,1465 708.66,1594.49 708.66,2440.94 708.66,2480.31 629.92,2559.06
EIT_ISO_GND on Bottom Layer "Top Layer-No Net" (solid, remove dead copper, pour order 18): 688.98,3090.55 1791.34,3090.55 1791.34,2519.69 1751.97,2519.69 1555.12,2519.69 1023.62,2519.69 688.98,2854.33
ISO_GND on Bottom Layer "Top Layer-No Net" (solid, remove dead copper, pour order 20): 393.7,3070.87 -826.77,3070.87 -1555.12,2342.52 -1555.12,807.09 -1535.43,787.4 -671.39,787.4 124,1174.9 124,1653.54 433.07,1653.54 531.5,1751.97 531.5,2362.2 413.39,2480.31 413.39,3070.87

## Keep-outs
Keep-Out Layer:
  lines w3.94: -2637.8,0 2441.4,0 ; 2637.8,183.63 2637.8,3641.73
  lines w7: 1906.4,0 1906.4,598 ; 2050.4,0 2050.4,598
  lines w7.87: -1632.07,0 -1496.06,0 -1496.06,1437.01 -1574.8,1515.75 ; 2637.8,1412 1978.4,1412 1978.4,598 ; 1978.4,598 1906.4,598 1978.4,598 ; 1978.4,598 2050.4,598 1978.4,598
  lines w10: -2638.2,3432.88 cw(c-2435.35,3438.88) -2441.35,3641.73 ; -2637.8,196.44 ccw(c-2434.94,202.44) -2428.94,-0.41 ; 2428.94,3642.14 cw(c2434.94,3439.29) 2637.8,3445.29 ; 2441.4,0 ccw(c2435.4,202.85) 2638.25,208.85

## Other copper
Top Layer:
  rectangle net GND: 1259.84,295.28 1397.64,492.13
  rectangle net GND: 1653.54,925.2 1830.71,1043.31
  region net NetD2_A: 1177.59,1110.38 1177.59,940.38 1372.59,940.38 1372.59,1110.38
  region net NetC14_1: 1227.59,1420.38 1227.59,1195.38 1347.59,1195.38 1347.59,1420.38
  region net V_IN: 1212.59,1730.38 1212.59,1515.38 1457.59,1515.38 1457.59,1730.38
  rectangle net ISO_3.3V: -694.24,1925.46 -398.96,2623.5
  pour cut-out: 925.2,374.02 925.2,629.92 1122.05,826.77 1358.27,826.77 1397.64,787.4 1397.64,551.18 1356.29,509.83 1220.47,509.83 1220.47,374.02
Bottom Layer:
  rectangle net GND: 905.51,177.17 1200.79,354.33
  rectangle net GND: 1265,270 1351,542
  region: 2350.96,1172.14 2350.96,1510 2149.96,1510 2149.96,1172.14
  region: -2137.23,1172.14 -2137.23,1510 -2338.23,1510 -2338.23,1172.14
  rectangle net EIT_ISO_GND: 1305,2307 1792,2555
  rectangle net GND: 1816,1755 2068,2006
  pour cut-out: 925.2,588.39 1225.47,588.39 1225.47,413.39 925.2,413.39

## Silkscreen, mask and mechanical layers (free items; w line width, h text height)
Top Overlay:
  text "GND" at 1830.71,2834.65 h60
  text "RX" at 1847.81,2741.61 h60
  text "TX" at 1847.81,2643.18 h60
  text "VCC" at 1830.71,2519.69 h60
  text "-" at 1462.08,1951.4 h60
  text "-" at 1816.41,1951.4 h60
  text "-" at 1462.08,1872.66 h60
  text "-" at 1816.41,1872.66 h60
  text "reload" at -1948.82,1811.02 h60
  text "+" at 1462.08,1774.24 h60
  text "+" at 1816.41,1774.24 h60
  text "+" at 1462.08,1656.13 h60
  text "+" at 1816.41,1656.13 h60
Bottom Solder:
  region: 2330,1401 2330,1492 2175,1492 2175,1401
  region: -2158.19,1401 -2158.19,1492 -2313.19,1492 -2313.19,1401
  region: -1319,1013.81 -1410,1013.81 -1410,858.81 -1319,858.81
  region: 1597,2479.81 1506,2479.81 1506,2324.81 1597,2324.81
  region: -1340,1430.81 -1431,1430.81 -1431,1275.81 -1340,1275.81
  region: 1991,1986.81 1900,1986.81 1900,1831.81 1991,1831.81
Mechanical 1:
  lines w7.87: -2637.8,0 2637.8,0 2637.8,3641.73 ; 1906.4,0 1906.4,598 ; 1953.4,-363 1953.4,-23 ; 2050.4,0 2050.4,598
  lines w10: -2638.2,3432.88 cw(c-2435.35,3438.88) -2441.35,3641.73 ; -2637.8,0 -2637.8,3641.73 2637.8,3641.73 ; -2637.79,196.44 ccw(c-2434.94,202.44) -2428.94,-0.41 ; 2428.94,3642.14 cw(c2434.94,3439.29) 2637.79,3445.29 ; 2441.4,0 ccw(c2435.4,202.85) 2638.25,208.85
  text "按机械层1加工" at 3148.4,757 h250
  text "1.6mm板厚" at 3188.4,387 h250
  text "挖槽" at 1728.4,-568 h250

## Text inside footprints (layer, text, board x,y; h text height)
Q3: Mechanical 15 "D-C" at 1518.35,1179.38 h20 r180; Mechanical 15 "G-B" at 1538.35,1109.38 h20 r180; Mechanical 15 "S-E" at 1608.35,1157.38 h20 r180
U2: Mechanical 15 "D-C" at -977.76,1605 h20 r180; Mechanical 15 "G-B" at -997.76,1535 h20 r180; Mechanical 15 "S-E" at -1067.76,1583 h20 r180
U4: Top Overlay "USR-Kx" at -950.39,549.56 h60 r270; Top Overlay "6" at -1125.39,649.56 h30 r270; Top Overlay "12" at -1160.39,749.56 h30 r270; Top Overlay "11" at -1090.39,744.56 h30 r270; Top Overlay "10" at -1030.39,744.56 h30 r270; Top Overlay "9" at -875.39,729.56 h30 r270; Top Overlay "8" at -820.39,729.56 h30 r270; Top Overlay "7" at -760.39,729.56 h30 r270; Top Overlay "5" at -1055.39,649.56 h30 r270; Top Overlay "4" at -985.39,649.56 h30 r270; Top Overlay "3" at -915.39,649.56 h30 r270; Top Overlay "2" at -850.39,649.56 h30 r270; Top Overlay "1" at -785.39,644.56 h30 r270; Mechanical 13 "2mm" at -875.39,-25.44 h30 r180
U5: Mechanical 15 "S-E" at 1124.73,2772.61 h20 r270; Mechanical 15 "G-B" at 1172.73,2702.61 h20 r270; Mechanical 15 "D-C" at 1102.73,2682.61 h20 r270
U6: Mechanical 15 "D-C" at 1052,2995.24 h20 r90; Mechanical 15 "G-B" at 982,2975.24 h20 r90; Mechanical 15 "S-E" at 1030,2905.24 h20 r90
U7: Mechanical 15 "S-E" at 1390.54,2998.31 h20 r270; Mechanical 15 "G-B" at 1438.54,2928.31 h20 r270; Mechanical 15 "D-C" at 1368.54,2908.31 h20 r270